# Altium PCB HOST拼板.PcbDoc (part 4 of 4)
Units mm, origin at the board's own origin, x right, y up, seen from the top; angles counter-clockwise.
Board outline 115.7 x 187.58 mm, 2 copper layers (Top Layer, Bottom Layer); 330 components, 0 nets, 987 pads, 525 vias.
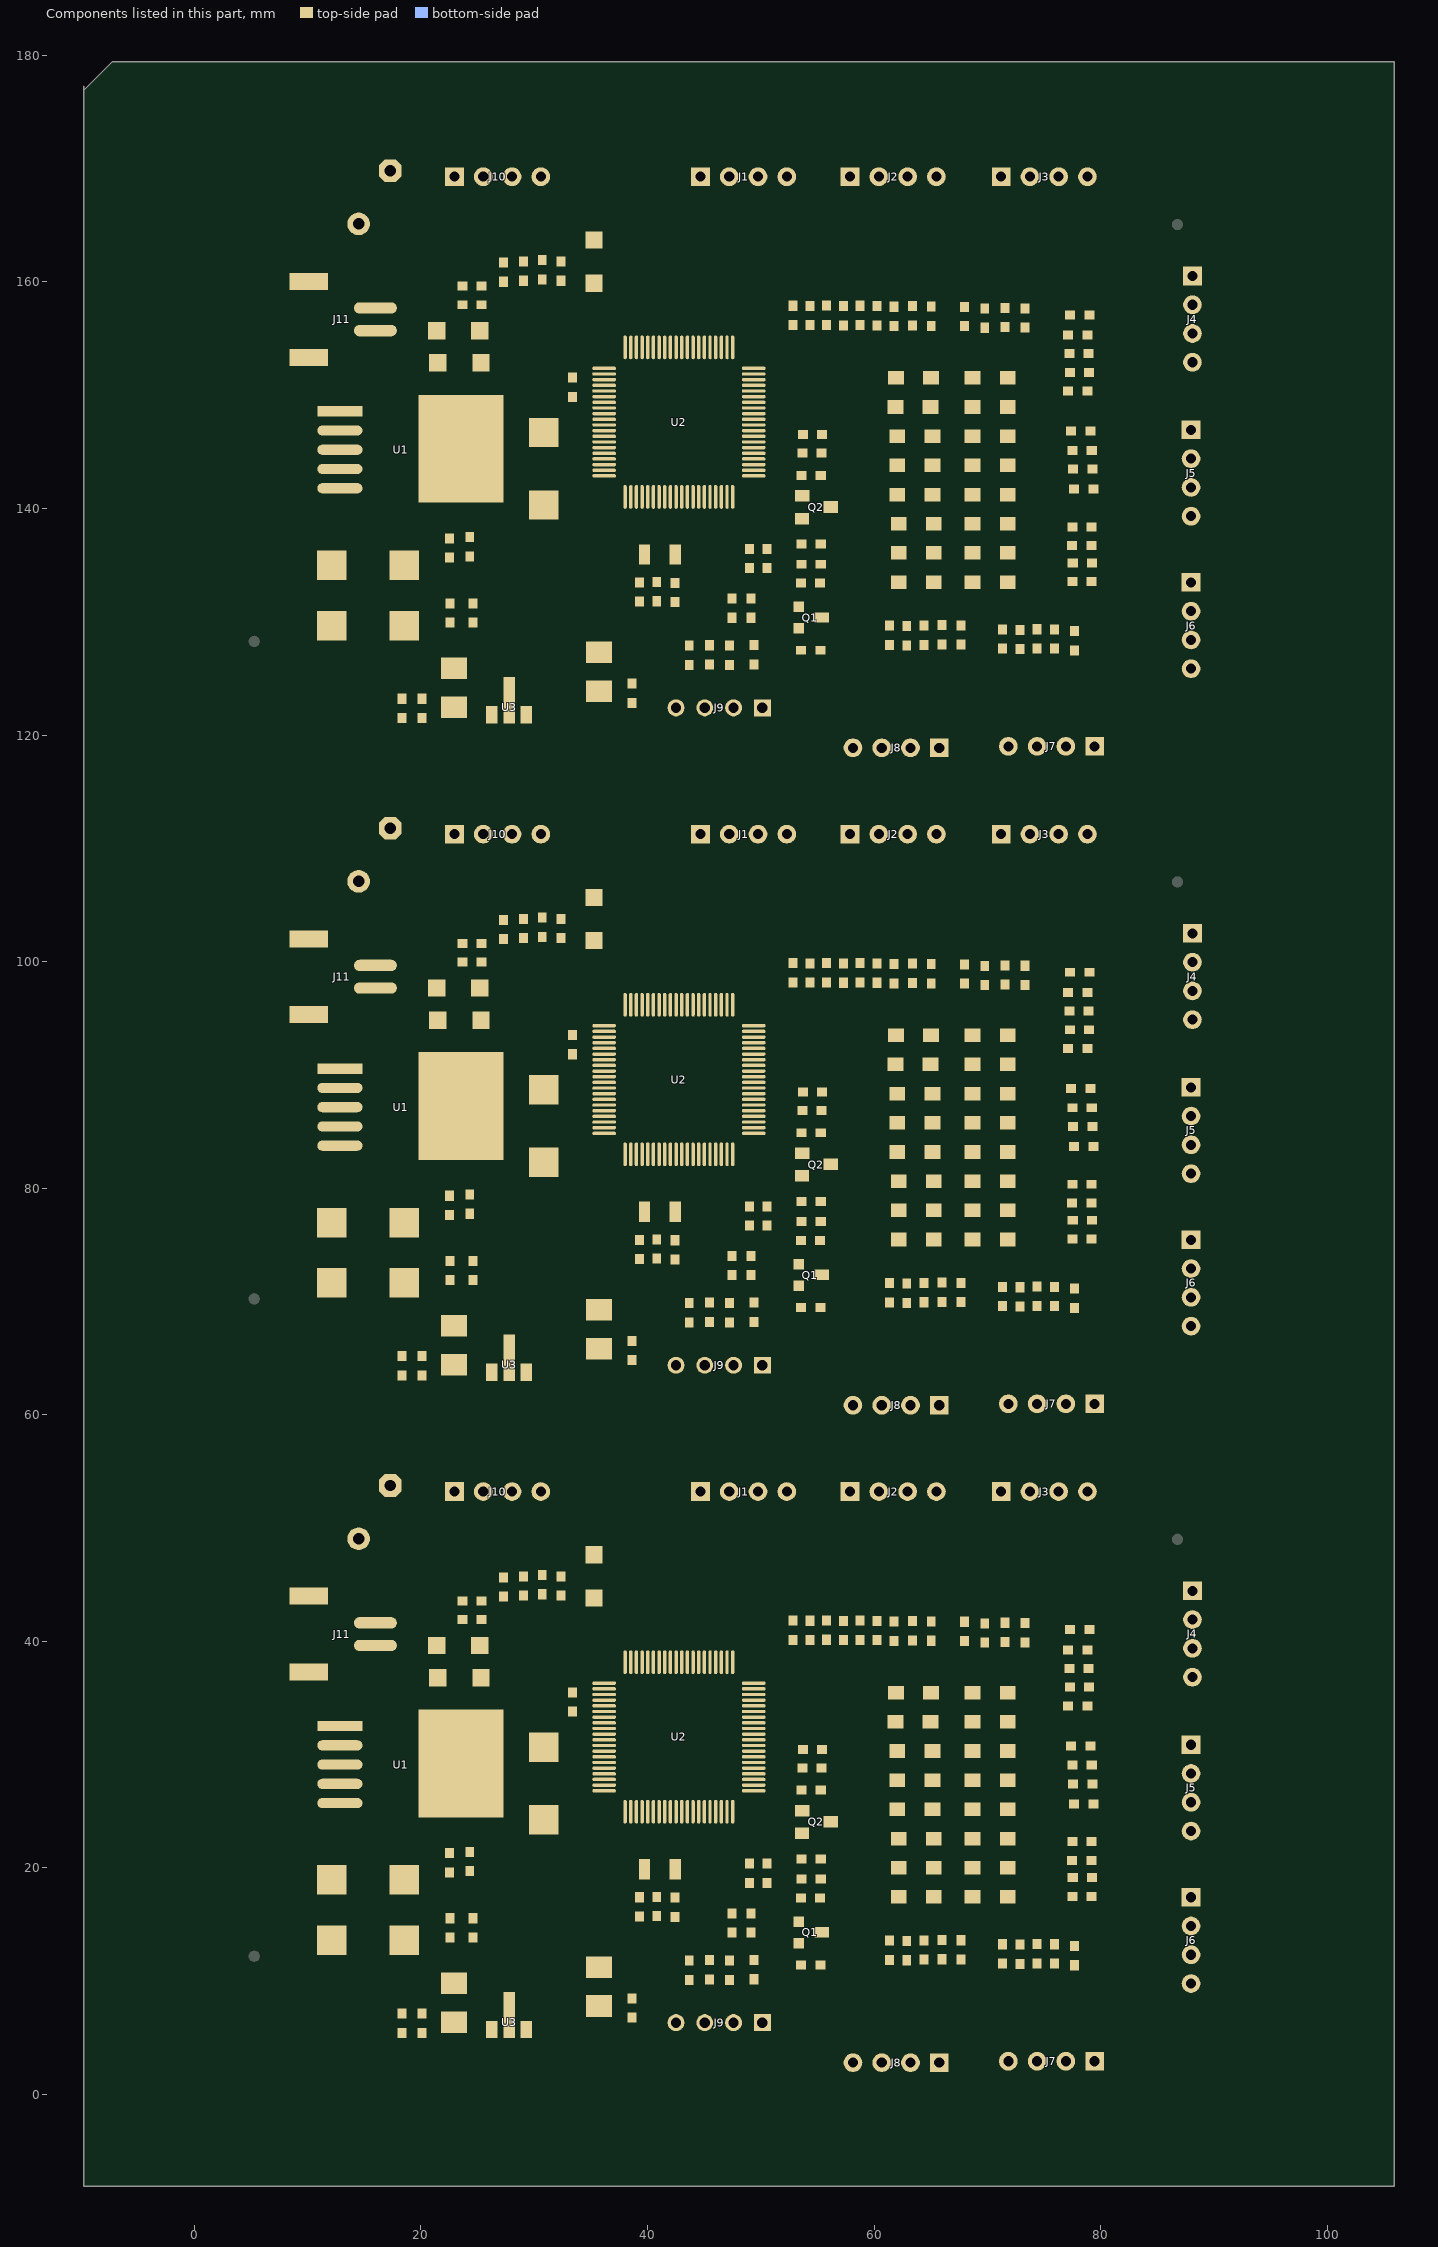
[diagram p4: the components of this part, seen from the top]

## Via types
v1: diameter 0.635, hole 0.381, Top Layer to Bottom Layer, tented both sides, 519 vias
v2: diameter 1.016, hole 0.635, Top Layer to Bottom Layer, tented both sides, 6 vias

## Nets (pads, with @x,y where several pads share a name; then routed paths per layer and width w, separated by ;. In a path a pad name is that pad's centre, name@x,y a point inside that pad or via, vN(x,y) a via of type N, cw(c..) or ccw(c..) an arc to the next point about the centre after c; other vN are vias at no path point) (continued)
copper on no net: (continued)
  Top Layer w0.635: 12.848,30.808 12.848,32.508 15.135,32.508 15.456,32.829 ; 12.848,88.847 12.848,90.547 15.135,90.547 15.456,90.868 ; 12.848,146.886 12.848,148.586 15.135,148.586 15.456,148.907 ; 14.449,32.631 ccw(c14.804,33.481) 15.456,32.829 ; 14.449,90.67 ccw(c14.804,91.52) 15.456,90.868 ; 14.449,148.709 ccw(c14.804,149.559) 15.456,148.907 ; 17.847,14.284 ccw(c16.17,15.961) 18.542,15.961 ccw(c20.914,15.961) 19.236,14.284 ; 17.847,18.228 cw(c16.17,16.551) 18.542,16.551 cw(c20.914,16.551) 19.236,18.228 ; 17.847,72.323 ccw(c16.17,74) 18.542,74 ccw(c20.914,74) 19.236,72.323 ; 17.847,76.267 cw(c16.17,74.59) 18.542,74.59 cw(c20.914,74.59) 19.236,76.267 ; 17.847,130.362 ccw(c16.17,132.039) 18.542,132.039 ccw(c20.914,132.039) 19.236,130.362 ; 17.847,134.306 cw(c16.17,132.629) 18.542,132.629 cw(c20.914,132.629) 19.236,134.306 ; 18.542,13.589 18.542,18.923 ; 18.542,71.628 18.542,76.962 ; 18.542,129.667 18.542,135.001 ; 19.863,50.546 24.867,50.546 v1(24.994,50.673) cw(c24.687,50.98) 24.687,50.546 ; 19.863,108.585 24.867,108.585 v1(24.994,108.712) cw(c24.687,109.019) 24.687,108.585 ; 19.863,166.624 24.867,166.624 v1(24.994,166.751) cw(c24.687,167.058) 24.687,166.624 ; 22.53,19.583 22.53,15.596 22.581,15.545 ; 22.53,77.622 22.53,73.635 22.581,73.584 ; 22.53,135.661 22.53,131.674 22.581,131.623 ; 24.854,36.779 cw(c23.781,36.779) 24.54,36.02 cw(c25.298,35.262) 25.298,36.335 ; 24.854,94.818 cw(c23.781,94.818) 24.54,94.059 cw(c25.298,93.301) 25.298,94.374 ; 24.854,152.857 cw(c23.781,152.857) 24.54,152.098 cw(c25.298,151.34) 25.298,152.413 ; 24.882,39.938 ccw(c23.878,40.942) 25.298,40.942 ; 24.882,97.977 ccw(c23.878,98.981) 25.298,98.981 ; 24.882,156.016 ccw(c23.878,157.02) 25.298,157.02 ; 25.197,39.624 25.298,39.522 25.298,36.779 ; 25.197,97.663 25.298,97.561 25.298,94.818 ; 25.197,155.702 25.298,155.6 25.298,152.857 ; 25.298,40.452 ccw(c26.025,40.452) 25.511,39.938 ; 25.298,98.491 ccw(c26.025,98.491) 25.511,97.977 ; 25.298,156.53 ccw(c26.025,156.53) 25.511,156.016 ; 25.362,43.561 25.298,43.497 25.298,36.779 ; 25.362,101.6 25.298,101.536 25.298,94.818 ; 25.362,159.639 25.298,159.575 25.298,152.857 ; 25.613,36.465 cw(c26.372,35.706) 26.372,36.779 cw(c26.372,37.852) 25.613,37.094 ; 25.613,94.504 cw(c26.372,93.745) 26.372,94.818 cw(c26.372,95.891) 25.613,95.133 ; 25.613,152.543 cw(c26.372,151.784) 26.372,152.857 cw(c26.372,153.93) 25.613,153.172 ; 28.317,50.515 ccw(c27.813,50.012) v1(27.813,50.724) 28.108,50.724 32.04,46.792 33.142,46.792 35.281,44.653 ; 28.317,108.554 ccw(c27.813,108.051) v1(27.813,108.763) 28.108,108.763 32.04,104.831 33.142,104.831 35.281,102.692 ; 28.317,166.593 ccw(c27.813,166.09) v1(27.813,166.802) 28.108,166.802 32.04,162.87 33.142,162.87 35.281,160.731 ; 29.312,5.715 31.75,5.715 32.766,6.731 32.766,10.135 33.858,11.227 35.712,11.227 35.878,11.227 38.633,8.471 40.983,8.471 42.469,9.957 42.469,10.592 43.688,11.811 ; 29.312,63.754 31.75,63.754 32.766,64.77 32.766,68.174 33.858,69.266 35.712,69.266 35.878,69.266 38.633,66.51 40.983,66.51 42.469,67.996 42.469,68.631 43.688,69.85 ; 29.312,121.793 31.75,121.793 32.766,122.809 32.766,126.213 33.858,127.305 35.712,127.305 35.878,127.305 38.633,124.549 40.983,124.549 42.469,126.035 42.469,126.67 43.688,127.889 ; 30.141,31.327 ccw(c28.464,33.004) 30.836,33.004 ccw(c33.208,33.004) 31.53,31.327 ; 30.141,89.366 ccw(c28.464,91.043) 30.836,91.043 ccw(c33.208,91.043) 31.53,89.366 ; 30.141,147.405 ccw(c28.464,149.082) 30.836,149.082 ccw(c33.208,149.082) 31.53,147.405 ; 30.222,52.854 cw(c29.355,51.987) 30.582,51.987 cw(c31.808,51.987) 30.941,52.854 ; 30.222,110.893 cw(c29.355,110.026) 30.582,110.026 cw(c31.808,110.026) 30.941,110.893 ; 30.222,168.932 cw(c29.355,168.065) 30.582,168.065 cw(c31.808,168.065) 30.941,168.932 ; 30.582,53.213 30.582,49.428 32.385,47.625 35.281,47.625 ; 30.582,111.252 30.582,107.467 32.385,105.664 35.281,105.664 ; 30.582,169.291 30.582,165.506 32.385,163.703 35.281,163.703 ; 30.836,30.632 30.836,36.347 30.404,36.779 25.298,36.779 ; 30.836,88.671 30.836,94.386 30.404,94.818 25.298,94.818 ; 30.836,146.71 30.836,152.425 30.404,152.857 25.298,152.857 ; 33.929,46.005 cw(c31.739,43.815) 34.836,43.815 ; 33.929,104.044 cw(c31.739,101.854) 34.836,101.854 ; 33.929,162.083 cw(c31.739,159.893) 34.836,159.893 ; 34.966,47.311 ccw(c34.207,46.552) 34.207,47.625 ccw(c34.207,48.698) 34.966,47.939 ; 34.966,105.35 ccw(c34.207,104.591) 34.207,105.664 ccw(c34.207,106.737) 34.966,105.978 ; 34.966,163.389 ccw(c34.207,162.63) 34.207,163.703 ccw(c34.207,164.776) 34.966,164.017 ; 35.013,44.921 cw(c33.907,43.815) 35.471,43.815 ; 35.013,102.96 cw(c33.907,101.854) 35.471,101.854 ; 35.013,160.999 cw(c33.907,159.893) 35.471,159.893 ; 35.031,44.183 ccw(c34.713,44.653) 35.281,44.653 ; 35.031,102.222 ccw(c34.713,102.692) 35.281,102.692 ; 35.031,160.261 ccw(c34.713,160.731) 35.281,160.731 ; 35.073,10.778 ccw(c33.989,9.694) 33.989,11.227 ccw(c33.989,12.76) 35.073,11.676 ; 35.073,68.817 ccw(c33.989,67.733) 33.989,69.266 ccw(c33.989,70.799) 35.073,69.715 ; 35.073,126.856 ccw(c33.989,125.772) 33.989,127.305 ccw(c33.989,128.838) 35.073,127.754 ; 35.281,43.815 35.281,44.653 ; 35.281,101.854 35.281,102.692 ; 35.281,159.893 35.281,160.731 ; 35.53,44.183 cw(c35.849,44.653) 35.281,44.653 ; 35.53,102.222 cw(c35.849,102.692) 35.281,102.692 ; 35.53,160.261 cw(c35.849,160.731) 35.281,160.731 ; 35.903,10.592 cw(c35.903,9.12) 36.944,10.161 ; 35.903,68.631 cw(c35.903,67.159) 36.944,68.2 ; 35.903,126.67 cw(c35.903,125.198) 36.944,126.239 ; 36.538,11.227 ccw(c38.132,11.227) 37.005,10.1 ; 36.538,69.266 ccw(c38.132,69.266) 37.005,68.139 ; 36.538,127.305 ccw(c38.132,127.305) 37.005,126.178 ; 43.688,12.396 cw(c44.729,12.396) v1(43.993,13.132) 43.688,12.827 43.688,11.811 ; 43.688,70.435 cw(c44.729,70.435) v1(43.993,71.171) 43.688,70.866 43.688,69.85 ; 43.688,128.474 cw(c44.729,128.474) v1(43.993,129.21) 43.688,128.905 43.688,127.889 ; 43.993,12.116 43.688,11.811 ; 43.993,70.155 43.688,69.85 ; 43.993,128.194 43.688,127.889 ; 47.19,11.916 ccw(c46.508,12.598) 47.473,12.598 ; 47.19,69.955 ccw(c46.508,70.637) 47.473,70.637 ; 47.19,127.994 ccw(c46.508,128.676) 47.473,128.676 ; 48.514,25.781 48.514,25.798 ; 48.514,83.82 48.514,83.837 ; 48.514,141.859 48.514,141.876 ; 49.403,11.862 49.352,11.811 47.244,11.811 47.473,12.04 47.473,14.275 49.124,14.275 51.638,16.789 v1@51.638,16.866 ; 49.403,69.901 49.352,69.85 47.244,69.85 47.473,70.079 47.473,72.314 49.124,72.314 51.638,74.828 v1@51.638,74.905 ; 49.403,127.94 49.352,127.889 47.244,127.889 47.473,128.118 47.473,130.353 49.124,130.353 51.638,132.867 v1@51.638,132.944 ; v1(51.689,16.916) v1@51.638,16.866 ; v1(51.689,74.955) v1@51.638,74.905 ; v1(51.689,132.994) v1@51.638,132.944 ; 52.694,22.506 cw(c53.518,21.683) 53.518,22.847 ; 52.694,80.545 cw(c53.518,79.722) 53.518,80.886 ; 52.694,138.584 cw(c53.518,137.761) 53.518,138.925 ; 53.962,23.038 cw(c54.729,23.038) 54.187,23.58 ; 53.962,81.077 cw(c54.729,81.077) 54.187,81.619 ; 53.962,139.116 cw(c54.729,139.116) 54.187,139.658 ; 55.245,17.348 56.032,16.561 v1(56.032,16.485) ; 55.245,75.387 56.032,74.6 v1(56.032,74.524) ; 55.245,133.426 56.032,132.639 v1(56.032,132.563) ; 55.372,28.804 55.372,28.641 56.256,27.757 56.256,26.241 55.771,25.756 55.22,25.756 55.034,25.57 55.034,24.427 53.645,23.038 53.226,23.038 50.546,20.358 51.638,19.266 v1@51.638,16.866 ; 55.372,86.843 55.372,86.68 56.256,85.796 56.256,84.28 55.771,83.795 55.22,83.795 55.034,83.609 55.034,82.466 53.645,81.077 53.226,81.077 50.546,78.397 51.638,77.305 v1@51.638,74.905 ; 55.372,144.882 55.372,144.719 56.256,143.835 56.256,142.319 55.771,141.834 55.22,141.834 55.034,141.648 55.034,140.505 53.645,139.116 53.226,139.116 50.546,136.436 51.638,135.344 v1@51.638,132.944 ; 55.499,28.804 ccw(c56.198,28.804) 55.704,28.309 ; 55.499,86.843 ccw(c56.198,86.843) 55.704,86.348 ; 55.499,144.882 ccw(c56.198,144.882) 55.704,144.387 ; 15.456,32.829 15.456,35.179 15.76,35.484 24.003,35.484 25.298,36.779 ; 15.456,90.868 15.456,93.218 15.76,93.523 24.003,93.523 25.298,94.818 ; 15.456,148.907 15.456,151.257 15.76,151.562 24.003,151.562 25.298,152.857 ; 25.298,37.852 cw(c24.225,37.852) 24.984,37.094 ccw(c24.225,37.852) 25.298,37.852 ; 25.298,37.852 ccw(c26.372,37.852) 25.613,37.094 ; 25.298,37.852 ccw(c26.372,37.852) 25.613,37.094 ; 25.298,95.891 cw(c24.225,95.891) 24.984,95.133 ccw(c24.225,95.891) 25.298,95.891 ; 25.298,95.891 ccw(c26.372,95.891) 25.613,95.133 ; 25.298,95.891 ccw(c26.372,95.891) 25.613,95.133 ; 25.298,153.93 cw(c24.225,153.93) 24.984,153.172 ccw(c24.225,153.93) 25.298,153.93 ; 25.298,153.93 ccw(c26.372,153.93) 25.613,153.172 ; 25.298,153.93 ccw(c26.372,153.93) 25.613,153.172 ; 24.882,39.31 cw(c23.878,38.306) 25.298,38.306 ccw(c23.878,38.306) 24.882,39.31 ; 24.882,97.349 cw(c23.878,96.345) 25.298,96.345 ccw(c23.878,96.345) 24.882,97.349 ; 24.882,155.388 cw(c23.878,154.384) 25.298,154.384 ccw(c23.878,154.384) 24.882,155.388 ; 25.298,38.796 cw(c26.025,38.796) 25.511,39.31 ccw(c26.025,38.796) 25.298,38.796 ; 25.298,96.835 cw(c26.025,96.835) 25.511,97.349 ccw(c26.025,96.835) 25.298,96.835 ; 25.298,154.874 cw(c26.025,154.874) 25.511,155.388 ccw(c26.025,154.874) 25.298,154.874
  Top Layer w1.27: 11.477,18.923 ccw(c9.871,18.923) 11.006,20.058 ccw(c12.142,21.193) 12.142,19.588 ccw(c12.142,23.768) 15.097,20.812 ; 11.477,76.962 ccw(c9.871,76.962) 11.006,78.097 ccw(c12.142,79.232) 12.142,77.627 ccw(c12.142,81.807) 15.097,78.851 ; 11.477,135.001 ccw(c9.871,135.001) 11.006,136.136 ccw(c12.142,137.271) 12.142,135.666 ccw(c12.142,139.846) 15.097,136.89 ; 11.671,13.119 cw(c10.536,11.984) 12.142,11.984 cw(c13.747,11.984) 12.612,13.119 ; 11.671,14.059 ccw(c10.475,15.256) 12.167,15.256 ; 11.671,18.453 cw(c10.475,17.256) 12.167,17.256 ; 11.671,71.158 cw(c10.536,70.023) 12.142,70.023 cw(c13.747,70.023) 12.612,71.158 ; 11.671,72.098 ccw(c10.475,73.295) 12.167,73.295 ; 11.671,76.492 cw(c10.475,75.295) 12.167,75.295 ; 11.671,129.197 cw(c10.536,128.062) 12.142,128.062 cw(c13.747,128.062) 12.612,129.197 ; 11.671,130.137 ccw(c10.475,131.334) 12.167,131.334 ; 11.671,134.531 cw(c10.475,133.334) 12.167,133.334 ; 12.116,14.757 12.167,14.808 12.167,18.923 ; 12.116,72.796 12.167,72.847 12.167,76.962 ; 12.116,130.835 12.167,130.886 12.167,135.001 ; 12.142,13.589 12.142,10.566 13.97,8.738 15.672,8.738 17.475,10.541 22.174,10.541 22.911,9.804 ; 12.142,71.628 12.142,68.605 13.97,66.777 15.672,66.777 17.475,68.58 22.174,68.58 22.911,67.843 ; 12.142,129.667 12.142,126.644 13.97,124.816 15.672,124.816 17.475,126.619 22.174,126.619 22.911,125.882 ; 12.167,15.133 ccw(c13.686,15.133) 12.612,14.059 ; 12.167,17.379 cw(c13.686,17.379) 12.612,18.453 ; 12.167,73.172 ccw(c13.686,73.172) 12.612,72.098 ; 12.167,75.418 cw(c13.686,75.418) 12.612,76.492 ; 12.167,131.211 ccw(c13.686,131.211) 12.612,130.137 ; 12.167,133.457 cw(c13.686,133.457) 12.612,134.531 ; 12.848,27.408 10.187,27.408 9.144,26.365 9.144,24.359 9.144,23.521 9.144,21.921 12.142,18.923 12.167,18.923 ; 12.848,85.447 10.187,85.447 9.144,84.404 9.144,82.398 9.144,81.56 9.144,79.96 12.142,76.962 12.167,76.962 ; 12.848,143.486 10.187,143.486 9.144,142.443 9.144,140.437 9.144,139.599 9.144,137.999 12.142,135.001 12.167,135.001 ; 15.977,39.624 21.387,39.624 ; 15.977,97.663 21.387,97.663 ; 15.977,155.702 21.387,155.702 ; 17.277,53.745 17.343,53.745 19.863,51.225 19.863,50.546 19.863,47.65 21.328,46.185 21.328,39.682 21.387,39.624 ; 17.277,111.784 17.343,111.784 19.863,109.264 19.863,108.585 19.863,105.689 21.328,104.224 21.328,97.721 21.387,97.663 ; 17.277,169.823 17.343,169.823 19.863,167.303 19.863,166.624 19.863,163.728 21.328,162.263 21.328,155.76 21.387,155.702 ; 18.313,7.125 20.091,7.125 22.771,9.804 22.911,9.804 ; 18.313,65.164 20.091,65.164 22.771,67.843 22.911,67.843 ; 18.313,123.203 20.091,123.203 22.771,125.882 22.911,125.882 ; 20.175,10.541 cw(c20.175,7.26) 22.496,9.58 ; 20.175,68.58 cw(c20.175,65.299) 22.496,67.619 ; 20.175,126.619 cw(c20.175,123.338) 22.496,125.658 ; 21.488,36.779 21.387,36.881 21.387,39.624 ; 21.488,94.818 21.387,94.92 21.387,97.663 ; 21.488,152.857 21.387,152.959 21.387,155.702 ; 23.101,9.487 cw(c23.101,5.869) 25.66,8.427 ; 23.101,67.526 cw(c23.101,63.908) 25.66,66.466 ; 23.101,125.565 cw(c23.101,121.947) 25.66,124.505 ; 23.232,9.515 cw(c23.834,8.175) 24.873,9.214 ; 23.232,67.554 cw(c23.834,66.214) 24.873,67.253 ; 23.232,125.593 cw(c23.834,124.253) 24.873,125.292 ; 27.318,8.204 ccw(c27.318,8.995) 27.877,8.435 ; 27.318,66.243 ccw(c27.318,67.034) 27.877,66.474 ; 27.318,124.282 ccw(c27.318,125.073) 27.877,124.513 ; 27.788,8.204 25.883,8.204 24.282,9.804 22.911,9.804 ; 27.788,66.243 25.883,66.243 24.282,67.843 22.911,67.843 ; 27.788,124.282 25.883,124.282 24.282,125.882 22.911,125.882 ; 39.951,10.9 cw(c39.083,10.033) v2@40.31,10.033 ; 39.951,68.939 cw(c39.083,68.072) v2@40.31,68.072 ; 39.951,126.978 cw(c39.083,126.111) v2@40.31,126.111 ; v2(40.107,5.156) 42.189,3.073 57.861,3.073 58.141,2.794 ; v2(40.107,63.195) 42.189,61.112 57.861,61.112 58.141,60.833 ; v2(40.107,121.234) 42.189,119.151 57.861,119.151 58.141,118.872 ; v2(40.183,10.033) 40.183,10.668 35.441,15.41 35.441,19.101 33.256,21.285 22.53,21.285 21.082,22.733 17.018,22.733 13.208,18.923 12.167,18.923 ; v2(40.183,68.072) 40.183,68.707 35.441,73.449 35.441,77.14 33.256,79.324 22.53,79.324 21.082,80.772 17.018,80.772 13.208,76.962 12.167,76.962 ; v2(40.183,126.111) 40.183,126.746 35.441,131.488 35.441,135.179 33.256,137.363 22.53,137.363 21.082,138.811 17.018,138.811 13.208,135.001 12.167,135.001 ; 51.885,51.754 cw(c53.758,51.754) 52.433,53.078 ; 51.885,109.793 cw(c53.758,109.793) 52.433,111.117 ; 51.885,167.832 cw(c53.758,167.832) 52.433,169.156 ; 52.299,53.213 52.299,52.841 51.885,52.427 51.885,50.452 52.807,49.53 56.337,49.53 58.759,47.109 58.759,41.821 ; 52.299,111.252 52.299,110.88 51.885,110.466 51.885,108.491 52.807,107.569 56.337,107.569 58.759,105.148 58.759,99.86 ; 52.299,169.291 52.299,168.919 51.885,168.505 51.885,166.53 52.807,165.608 56.337,165.608 58.759,163.187 58.759,157.899 ; v1(52.502,20.345) 52.934,20.777 53.594,20.777 ; v1(52.502,78.384) 52.934,78.816 53.594,78.816 ; v1(52.502,136.423) 52.934,136.855 53.594,136.855 ; 57.006,3.073 cw(c57.006,1.66) 58.006,2.659 ; 57.006,61.112 cw(c57.006,59.699) 58.006,60.698 ; 57.006,119.151 cw(c57.006,117.738) 58.006,118.737 ; 77.699,11.392 79.972,11.392 81.585,9.779 87.986,9.779 ; 77.699,69.431 79.972,69.431 81.585,67.818 87.986,67.818 ; 77.699,127.47 79.972,127.47 81.585,125.857 87.986,125.857 ; 79.007,41.021 83.795,41.021 v1(84.049,41.275) ; 79.007,99.06 83.795,99.06 v1(84.049,99.314) ; 79.007,157.099 83.795,157.099 v1(84.049,157.353) ; 52.914,20.758 cw(c53.543,20.129) 53.543,21.018 ccw(c53.543,20.129) 52.914,20.758 ; 52.914,78.797 cw(c53.543,78.168) 53.543,79.057 ccw(c53.543,78.168) 52.914,78.797 ; 52.914,136.836 cw(c53.543,136.207) 53.543,137.096 ccw(c53.543,136.207) 52.914,136.836
  Bottom Layer w0.254: v1@41.961,26.657 cw(c41.961,26.197) 42.286,26.523 cw(c42.611,26.848) v1@42.151,26.848 ; v1(41.961,26.848) 42.291,26.518 42.291,24.257 43.256,23.292 44.45,23.292 45.016,22.725 45.016,20.074 v1(44.882,19.939) ; v1@41.961,84.696 cw(c41.961,84.236) 42.286,84.562 cw(c42.611,84.887) v1@42.151,84.887 ; v1(41.961,84.887) 42.291,84.557 42.291,82.296 43.256,81.331 44.45,81.331 45.016,80.764 45.016,78.113 v1(44.882,77.978) ; v1@41.961,142.735 cw(c41.961,142.275) 42.286,142.601 cw(c42.611,142.926) v1@42.151,142.926 ; v1(41.961,142.926) 42.291,142.596 42.291,140.335 43.256,139.37 44.45,139.37 45.016,138.803 45.016,136.152 v1(44.882,136.017) ; v1@42.266,22.784 44.069,22.784 44.374,22.479 v1(44.374,21.057) ; v1@42.266,80.823 44.069,80.823 44.374,80.518 v1(44.374,79.096) ; v1@42.266,138.862 44.069,138.862 44.374,138.557 v1(44.374,137.135) ; v1@42.35,22.7 cw(c42.552,22.497) 42.552,22.784 ; v1@42.35,22.969 ccw(c42.797,23.417) 42.797,22.784 ; v1@42.35,80.739 cw(c42.552,80.536) 42.552,80.823 ; v1@42.35,81.008 ccw(c42.797,81.456) 42.797,80.823 ; v1@42.35,138.778 cw(c42.552,138.575) 42.552,138.862 ; v1@42.35,139.047 ccw(c42.797,139.495) 42.797,138.862 ; v1@44.239,21.191 ccw(c43.914,21.517) 44.374,21.517 ccw(c44.834,21.517) v1@44.509,21.191 ; v1@44.239,79.23 ccw(c43.914,79.556) 44.374,79.556 ccw(c44.834,79.556) v1@44.509,79.23 ; v1@44.239,137.269 ccw(c43.914,137.595) 44.374,137.595 ccw(c44.834,137.595) v1@44.509,137.269 ; v1@44.747,20.074 ccw(c44.097,20.724) 45.016,20.724 ; v1@44.747,78.113 ccw(c44.097,78.763) 45.016,78.763 ; v1@44.747,136.152 ccw(c44.097,136.802) 45.016,136.802 ; v1@59.962,36.711 ccw(c59.636,37.036) 60.096,37.036 ccw(c60.556,37.036) v1@60.231,36.711 ; v1@59.962,94.75 ccw(c59.636,95.075) 60.096,95.075 ccw(c60.556,95.075) v1@60.231,94.75 ; v1@59.962,152.789 ccw(c59.636,153.114) 60.096,153.114 ccw(c60.556,153.114) v1@60.231,152.789 ; v1(60.096,36.576) 60.096,38.506 v1(60.223,38.633) ; 60.096,37.867 cw(c60.99,37.867) v1@60.358,38.499 ; v1(60.096,94.615) 60.096,96.545 v1(60.223,96.672) ; 60.096,95.906 cw(c60.99,95.906) v1@60.358,96.538 ; v1(60.096,152.654) 60.096,154.584 v1(60.223,154.711) ; 60.096,153.945 cw(c60.99,153.945) v1@60.358,154.577 ; v1(60.579,26.391) 61.392,26.391 63.856,26.391 v1(63.856,26.416) ; v1(60.579,84.43) 61.392,84.43 63.856,84.43 v1(63.856,84.455) ; v1(60.579,142.469) 61.392,142.469 63.856,142.469 v1(63.856,142.494) ; v1@60.714,26.256 cw(c61.039,25.931) 61.039,26.391 cw(c61.039,26.851) v1@60.714,26.525 ; v1@60.714,84.295 cw(c61.039,83.97) 61.039,84.43 cw(c61.039,84.89) v1@60.714,84.564 ; v1@60.714,142.334 cw(c61.039,142.009) 61.039,142.469 cw(c61.039,142.929) v1@60.714,142.603 ; 63.334,26.391 ccw(c63.334,26.937) v1@63.721,26.551 ; 63.334,84.43 ccw(c63.334,84.976) v1@63.721,84.59 ; 63.334,142.469 ccw(c63.334,143.015) v1@63.721,142.629 ; 63.457,26.391 cw(c63.457,26.017) v1@63.721,26.281 ; 63.457,84.43 cw(c63.457,84.056) v1@63.721,84.32 ; 63.457,142.469 cw(c63.457,142.095) v1@63.721,142.359 ; v1(65.303,14.884) 66.345,14.884 ; v1(65.303,72.923) 66.345,72.923 ; v1(65.303,130.962) 66.345,130.962 ; v1@65.438,14.75 cw(c65.763,14.424) 65.763,14.884 cw(c65.763,15.344) v1@65.438,15.019 ; v1@65.438,72.789 cw(c65.763,72.463) 65.763,72.923 cw(c65.763,73.383) v1@65.438,73.058 ; v1@65.438,130.828 cw(c65.763,130.502) 65.763,130.962 cw(c65.763,131.422) v1@65.438,131.097 ; 66.548,14.884 66.345,14.884 ; 66.548,72.923 66.345,72.923 ; 66.548,130.962 66.345,130.962 ; v1(66.675,37.16) 67.158,37.643 67.158,38.837 v1(66.777,39.218) ; v1@66.675,37.351 ccw(c66.675,37.811) 67,37.485 ccw(c67.325,37.16) v1@66.865,37.16 ; v1(66.675,95.199) 67.158,95.682 67.158,96.876 v1(66.777,97.257) ; v1@66.675,95.39 ccw(c66.675,95.85) 67,95.524 ccw(c67.325,95.199) v1@66.865,95.199 ; v1(66.675,153.238) 67.158,153.721 67.158,154.915 v1(66.777,155.296) ; v1@66.675,153.429 ccw(c66.675,153.889) 67,153.563 ccw(c67.325,153.238) v1@66.865,153.238 ; v1@66.808,18.751 ccw(c67.251,19.195) 67.251,18.567 ; v1@66.808,76.79 ccw(c67.251,77.234) 67.251,76.606 ; v1@66.808,134.829 ccw(c67.251,135.273) 67.251,134.645 ; v1(66.853,18.796) 67.081,18.567 74.346,18.567 v1(74.879,18.034) ; v1(66.853,76.835) 67.081,76.606 74.346,76.606 v1(74.879,76.073) ; v1(66.853,134.874) 67.081,134.645 74.346,134.645 v1(74.879,134.112) ; v1@66.988,18.931 ccw(c67.865,19.808) 67.865,18.567 ; v1@66.988,76.97 ccw(c67.865,77.847) 67.865,76.606 ; v1@66.988,135.009 ccw(c67.865,135.886) 67.865,134.645 ; v1(67.132,23.673) 67.818,23.673 v1(70.383,23.673) ; v1(67.132,81.712) 67.818,81.712 v1(70.383,81.712) ; v1(67.132,139.751) 67.818,139.751 v1(70.383,139.751) ; v1(67.208,26.187) 67.259,26.238 67.793,26.238 v1(70.256,26.238) ; v1(67.208,84.226) 67.259,84.277 67.793,84.277 v1(70.256,84.277) ; v1(67.208,142.265) 67.259,142.316 67.793,142.316 v1(70.256,142.316) ; 67.246,14.884 cw(c67.246,14.338) v1@67.632,14.724 ; 67.246,72.923 cw(c67.246,72.377) v1@67.632,72.763 ; 67.246,130.962 cw(c67.246,130.416) v1@67.632,130.802 ; v1@67.267,23.538 cw(c67.592,23.213) 67.592,23.673 cw(c67.592,24.133) v1@67.267,23.808 ; v1@67.267,81.577 cw(c67.592,81.252) 67.592,81.712 cw(c67.592,82.172) v1@67.267,81.847 ; v1@67.267,139.616 cw(c67.592,139.291) 67.592,139.751 cw(c67.592,140.211) v1@67.267,139.886 ; v1@67.343,26.053 cw(c67.791,25.605) 67.791,26.238 ; v1@67.343,26.322 ccw(c67.546,26.525) 67.546,26.238 ; v1@67.343,84.092 cw(c67.791,83.644) 67.791,84.277 ; v1@67.343,84.361 ccw(c67.546,84.564) 67.546,84.277 ; v1@67.343,142.131 cw(c67.791,141.683) 67.791,142.316 ; v1@67.343,142.4 ccw(c67.546,142.603) 67.546,142.316 ; 67.369,14.884 ccw(c67.369,15.258) v1@67.632,14.994 ; 67.369,72.923 ccw(c67.369,73.297) v1@67.632,73.033 ; 67.369,130.962 ccw(c67.369,131.336) v1@67.632,131.072 ; v1(67.767,14.859) 67.742,14.884 66.345,14.884 ; v1(67.767,72.898) 67.742,72.923 66.345,72.923 ; v1(67.767,130.937) 67.742,130.962 66.345,130.962 ; v1@70.122,26.103 ccw(c69.796,25.778) 69.796,26.238 ccw(c69.796,26.698) v1@70.122,26.373 ; v1@70.122,84.142 ccw(c69.796,83.817) 69.796,84.277 ccw(c69.796,84.737) v1@70.122,84.412 ; v1@70.122,142.181 ccw(c69.796,141.856) 69.796,142.316 ccw(c69.796,142.776) v1@70.122,142.451 ; v1@70.249,23.538 ccw(c69.923,23.213) 69.923,23.673 ccw(c69.923,24.133) v1@70.249,23.808 ; v1@70.249,81.577 ccw(c69.923,81.252) 69.923,81.712 ccw(c69.923,82.172) v1@70.249,81.847 ; v1@70.249,139.616 ccw(c69.923,139.291) 69.923,139.751 ccw(c69.923,140.211) v1@70.249,139.886 ; v1(70.841,36.855) 75.54,36.855 v1(75.667,36.982) ; v1(70.841,94.894) 75.54,94.894 v1(75.667,95.021) ; v1(70.841,152.933) 75.54,152.933 v1(75.667,153.06) ; v1@70.975,36.721 cw(c71.301,36.395) 71.301,36.855 cw(c71.301,37.315) v1@70.975,36.99 ; v1@70.975,94.76 cw(c71.301,94.434) 71.301,94.894 cw(c71.301,95.354) v1@70.975,95.029 ; v1@70.975,152.799 cw(c71.301,152.473) 71.301,152.933 cw(c71.301,153.393) v1@70.975,153.068 ; v1@74.689,18.034 ccw(c74.229,18.034) 74.554,18.359 ccw(c74.879,18.684) v1@74.879,18.224 ; v1@74.689,76.073 ccw(c74.229,76.073) 74.554,76.398 ccw(c74.879,76.723) v1@74.879,76.263 ; v1@74.689,134.112 ccw(c74.229,134.112) 74.554,134.437 ccw(c74.879,134.762) v1@74.879,134.302 ; 74.9,36.855 ccw(c74.9,37.749) v1@75.532,37.117 ; 74.9,94.894 ccw(c74.9,95.788) v1@75.532,95.156 ; 74.9,152.933 ccw(c74.9,153.827) v1@75.532,153.195
  Bottom Layer w0.305: v1(32.563,40.513) 33.68,40.513 34.011,40.843 v1(34.112,40.843) ; v1(32.563,98.552) 33.68,98.552 34.011,98.882 v1(34.112,98.882) ; v1(32.563,156.591) 33.68,156.591 34.011,156.921 v1(34.112,156.921) ; v1@32.68,40.396 cw(c32.961,40.114) 32.961,40.513 cw(c32.961,40.912) v1@32.68,40.63 ; v1@32.68,98.435 cw(c32.961,98.153) 32.961,98.552 cw(c32.961,98.951) v1@32.68,98.669 ; v1@32.68,156.474 cw(c32.961,156.192) 32.961,156.591 cw(c32.961,156.99) v1@32.68,156.708 ; 33.657,40.49 cw(c34.112,40.034) v1@34.112,40.678 ; 33.657,98.529 cw(c34.112,98.073) v1@34.112,98.717 ; 33.657,156.568 cw(c34.112,156.112) v1@34.112,156.756
  Bottom Layer w0.508: v1(15.011,22.581) 19.482,22.581 v1(20.853,21.209) ; v1(15.011,80.62) 19.482,80.62 v1(20.853,79.248) ; v1(15.011,138.659) 19.482,138.659 v1(20.853,137.287)
  Bottom Layer w0.635: v1(24.994,50.673) 25.044,50.724 v1(27.813,50.724) ; v1(24.994,108.712) 25.044,108.763 v1(27.813,108.763) ; v1(24.994,166.751) 25.044,166.802 v1(27.813,166.802) ; v1(43.993,13.132) ccw(c44.483,13.622) 44.483,12.929 ; v1(43.993,71.171) ccw(c44.483,71.661) 44.483,70.968 ; v1(43.993,129.21) ccw(c44.483,129.7) 44.483,129.007 ; v1@44.196,12.929 v1(47.447,12.929) ; v1@44.196,70.968 v1(47.447,70.968) ; v1@44.196,129.007 v1(47.447,129.007) ; v1(51.689,16.916) 55.601,16.916 v1(56.032,16.485) ccw(c54.99,15.442) 54.99,16.916 ; v1(51.689,74.955) 55.601,74.955 v1(56.032,74.524) ccw(c54.99,73.481) 54.99,74.955 ; v1(51.689,132.994) 55.601,132.994 v1(56.032,132.563) ccw(c54.99,131.52) 54.99,132.994
  Bottom Layer w1.27: v2(40.107,5.156) 40.157,5.207 40.157,10.033 v2(40.183,10.033) ; v2(40.107,63.195) 40.157,63.246 40.157,68.072 v2(40.183,68.072) ; v2(40.107,121.234) 40.157,121.285 40.157,126.111 v2(40.183,126.111) ; v2@40.183,5.08 v2@40.183,5.156 ; v2@40.183,63.119 v2@40.183,63.195 ; v2@40.183,121.158 v2@40.183,121.234 ; 52.299,53.023 cw(c52.299,50.784) 53.881,52.367 ; 52.299,53.213 53.035,53.213 55.245,51.003 63.297,51.003 65.507,53.213 66.548,53.213 68.504,51.257 76.886,51.257 78.842,53.213 81.94,53.213 84.176,50.978 84.176,39.167 86.512,36.83 88.113,36.83 88.113,34.976 85.827,32.69 85.827,24.562 87.147,23.241 87.986,23.241 87.986,21.717 85.75,19.482 85.75,12.014 87.986,9.779 87.986,8.28 84.912,5.207 74.337,5.207 72.051,2.921 71.857,2.921 70.307,2.921 68.301,4.928 60.274,4.928 58.141,2.794 ; 52.299,111.061 cw(c52.299,108.823) 53.881,110.406 ; 52.299,111.252 53.035,111.252 55.245,109.042 63.297,109.042 65.507,111.252 66.548,111.252 68.504,109.296 76.886,109.296 78.842,111.252 81.94,111.252 84.176,109.017 84.176,97.206 86.512,94.869 88.113,94.869 88.113,93.015 85.827,90.729 85.827,82.601 87.147,81.28 87.986,81.28 87.986,79.756 85.75,77.521 85.75,70.053 87.986,67.818 87.986,66.319 84.912,63.246 74.337,63.246 72.051,60.96 71.857,60.96 70.307,60.96 68.301,62.967 60.274,62.967 58.141,60.833 ; 52.299,169.1 cw(c52.299,166.862) 53.881,168.445 ; 52.299,169.291 53.035,169.291 55.245,167.081 63.297,167.081 65.507,169.291 66.548,169.291 68.504,167.335 76.886,167.335 78.842,169.291 81.94,169.291 84.176,167.056 84.176,155.245 86.512,152.908 88.113,152.908 88.113,151.054 85.827,148.768 85.827,140.64 87.147,139.319 87.986,139.319 87.986,137.795 85.75,135.56 85.75,128.092 87.986,125.857 87.986,124.358 84.912,121.285 74.337,121.285 72.051,118.999 71.857,118.999 70.307,118.999 68.301,121.006 60.274,121.006 58.141,118.872 ; 65.507,53.023 cw(c65.507,50.048) 67.61,52.151 ; 65.507,111.061 cw(c65.507,108.087) 67.61,110.19 ; 65.507,169.1 cw(c65.507,166.126) 67.61,168.229 ; 65.57,53.033 cw(c66.048,51.672) 67.069,52.692 ; 65.57,111.072 cw(c66.048,109.711) 67.069,110.731 ; 65.57,169.111 cw(c66.048,167.75) 67.069,168.77 ; 86.246,24.143 ccw(c87.963,25.86) 87.984,23.431 ; 86.246,82.182 ccw(c87.963,83.899) 87.984,81.47 ; 86.246,140.221 ccw(c87.963,141.938) 87.984,139.509
  other v1: 85.09,1.168 68.351,1.27 49.835,1.397 25.425,2.515 40.005,2.616 35.357,3.226 52.197,5.436 58.318,6.147 65.71,7.239 71.145,7.417 76.759,7.417 16.129,7.442 83.617,7.468 46.558,7.849 51.283,8.103 31.166,8.534 45.085,8.56 57.125,9.093 75.159,9.423 7.341,10.236 58.471,10.49 25.959,10.617 84.506,11.227 30.353,11.582 41.758,11.786 15.291,12.116 21.234,12.268 58.039,12.446 51.029,12.929 34.011,13.005 69.596,13.411 51.968,14.757 44.45,15.011 75.667,15.951 15.418,16.053 80.569,16.205 83.845,16.84 5.207,18.009 32.944,18.059 43.764,18.39 60.274,19.025 15.291,19.228 29.21,19.253 26.619,19.685 83.845,20.574 37.16,21.869 56.82,22.174 40.792,22.835 80.213,23.978 76.581,24.054 52.045,24.232 17.653,24.689 25.832,24.994 49.149,25.044 21.514,25.146 57.785,25.705 83.388,25.857 5.588,26.492 33.325,26.492 29.439,27.28 43.028,27.508 17.805,28.346 51.435,28.6 21.361,29.134 82.372,29.413 25.857,29.54 38.786,30.785 47.142,30.912 7.366,31.344 43.205,31.344 33.249,31.394 58.141,31.674 4.343,32.385 77.343,32.614 52.832,32.715 81.712,33.071 21.438,33.096 25.883,33.223 17.729,33.274 31.852,33.807 89.637,34.087 10.516,34.163 28.854,35.128 47.015,35.255 43.383,35.509 58.217,36.652 18.491,37.16 14.148,37.389 23.368,38.1 49.301,38.1 36.601,38.303 27.102,38.506 82.398,38.964 80.645,39.014 39.7,40.411 48.082,40.869 44.78,40.894 66.675,41.25 89.713,41.478 31.471,41.732 8.077,41.808 35.204,41.91 19.304,41.961 38.1,42.748 86.004,43.053 81.509,43.104 60.452,43.256 73.254,43.536 56.769,43.866 63.551,43.866 69.19,44.145 19.152,44.933 23.216,45.212 14.275,46.025 52.045,46.253 56.413,47.041 4.14,47.32 74.371,47.371 79.121,47.701 37.77,48.108 60.35,48.362 24.359,48.793 22.098,48.844 63.729,48.844 69.799,49.454 41.427,50.267 47.219,50.546 16.586,51.105 78.664,51.283 34.722,51.562 68.123,54.407 83.947,54.458 41.605,54.661 85.09,59.207 68.351,59.309 49.835,59.436 25.425,60.554 40.005,60.655 35.357,61.265 52.197,63.475 58.318,64.186 65.71,65.278 71.145,65.456 76.759,65.456 16.129,65.481 83.617,65.507 46.558,65.888 51.283,66.142 31.166,66.573 45.085,66.599 57.125,67.132 75.159,67.462 7.341,68.275 58.471,68.529 25.959,68.656 84.506,69.266 30.353,69.621 41.758,69.825 15.291,70.155 21.234,70.307 58.039,70.485 51.029,70.968 34.011,71.044 69.596,71.45 51.968,72.796 44.45,73.05 75.667,73.99 15.418,74.092 80.569,74.244 83.845,74.879 5.207,76.048 32.944,76.098 43.764,76.429 60.274,77.064 15.291,77.267 29.21,77.292 26.619,77.724 83.845,78.613 37.16,79.908 56.82,80.213 40.792,80.874 80.213,82.017 76.581,82.093 52.045,82.271 17.653,82.728 25.832,83.033 49.149,83.083 21.514,83.185 57.785,83.744 83.388,83.896 5.588,84.531 33.325,84.531 29.439,85.319 43.028,85.547 17.805,86.385 51.435,86.639 21.361,87.173 82.372,87.452 25.857,87.579 38.786,88.824 47.142,88.951 7.366,89.383 43.205,89.383 33.249,89.433 58.141,89.713 4.343,90.424 77.343,90.653 52.832,90.754 81.712,91.11 21.438,91.135 25.883,91.262 17.729,91.313 31.852,91.846 89.637,92.126 10.516,92.202 28.854,93.167 47.015,93.294 43.383,93.548 58.217,94.691 18.491,95.199 14.148,95.428 23.368,96.139 49.301,96.139 36.601,96.342 27.102,96.545 82.398,97.003 80.645,97.053 39.7,98.45 48.082,98.908 44.78,98.933 66.675,99.289 89.713,99.517 31.471,99.771 8.077,99.847 35.204,99.949 19.304,100 38.1,100.787 86.004,101.092 81.509,101.143 60.452,101.295 73.254,101.575 56.769,101.905 63.551,101.905 69.19,102.184 19.152,102.972 23.216,103.251 14.275,104.064 52.045,104.292 56.413,105.08 4.14,105.359 74.371,105.41 79.121,105.74 37.77,106.147 60.35,106.401 24.359,106.832 22.098,106.883 63.729,106.883 69.799,107.493 41.427,108.306 47.219,108.585 16.586,109.144 78.664,109.322 34.722,109.601 68.123,112.446 83.947,112.497 41.605,112.7 85.09,117.246 68.351,117.348 49.835,117.475 25.425,118.593 40.005,118.694 35.357,119.304 52.197,121.514 58.318,122.225 65.71,123.317 71.145,123.495 76.759,123.495 16.129,123.52 83.617,123.546 46.558,123.927 51.283,124.181 31.166,124.612 45.085,124.638 57.125,125.171 75.159,125.501 7.341,126.314 58.471,126.568 25.959,126.695 84.506,127.305 30.353,127.66 41.758,127.864 15.291,128.194 21.234,128.346 58.039,128.524 51.029,129.007 34.011,129.083 69.596,129.489 51.968,130.835 44.45,131.089 75.667,132.029 15.418,132.131 80.569,132.283 83.845,132.918 5.207,134.087 32.944,134.137 43.764,134.468 60.274,135.103 15.291,135.306 29.21,135.331 26.619,135.763 83.845,136.652 37.16,137.947 56.82,138.252 40.792,138.913 80.213,140.056 76.581,140.132 52.045,140.31 17.653,140.767 25.832,141.072 49.149,141.122 21.514,141.224 57.785,141.783 83.388,141.935 5.588,142.57 33.325,142.57 29.439,143.358 43.028,143.586 17.805,144.424 51.435,144.678 21.361,145.212 82.372,145.491 25.857,145.618 38.786,146.863 47.142,146.99 7.366,147.422 43.205,147.422 33.249,147.472 58.141,147.752 4.343,148.463 77.343,148.692 52.832,148.793 81.712,149.149 21.438,149.174 25.883,149.301 17.729,149.352 31.852,149.885 89.637,150.165 10.516,150.241 28.854,151.206 47.015,151.333 43.383,151.587 58.217,152.73 18.491,153.238 14.148,153.467 23.368,154.178 49.301,154.178 36.601,154.381 27.102,154.584 82.398,155.042 80.645,155.092 39.7,156.489 48.082,156.947 44.78,156.972 66.675,157.328 89.713,157.556 31.471,157.81 8.077,157.886 35.204,157.988 19.304,158.039 38.1,158.826 86.004,159.131 81.509,159.182 60.452,159.334 73.254,159.614 56.769,159.944 63.551,159.944 69.19,160.223 19.152,161.011 23.216,161.29 14.275,162.103 52.045,162.331 56.413,163.119 4.14,163.398 74.371,163.449 79.121,163.779 37.77,164.186 60.35,164.44 24.359,164.871 22.098,164.922 63.729,164.922 69.799,165.532 41.427,166.345 47.219,166.624 16.586,167.183 78.664,167.361 34.722,167.64 68.123,170.485 83.947,170.536 41.605,170.739

## Polygon pours and split planes (outlines as drawn)
no net on Bottom Layer "Top Layer-No Net" (solid, remove dead copper, pour order 1004): 1.473,-3.15 94.158,-3.15 94.615,-2.692 94.615,56.286 2.743,56.286 1.702,55.245 1.702,-2.718 1.803,-2.819
no net on Bottom Layer "Top Layer-No Net" (solid, remove dead copper, pour order 1003): 1.473,54.889 94.158,54.889 94.615,55.347 94.615,114.325 2.743,114.325 1.702,113.284 1.702,55.321 1.803,55.22
no net on Bottom Layer "Top Layer-No Net" (solid, remove dead copper, pour order 1002): 1.473,112.928 94.158,112.928 94.615,113.386 94.615,172.364 2.743,172.364 1.702,171.323 1.702,113.36 1.803,113.259
no net on Top Layer "Top Layer-No Net" (solid, remove dead copper, pour order 1007): 1.956,55.702 1.93,55.677 1.93,-2.769 94.158,-2.769 94.361,-2.972 94.361,55.829 94.463,55.931 94.234,55.702 1.956,55.702
no net on Top Layer "Top Layer-No Net" (solid, remove dead copper, pour order 1006): 1.956,113.741 1.93,113.716 1.93,55.27 94.158,55.27 94.361,55.067 94.361,113.868 94.463,113.97 94.234,113.741 1.956,113.741
no net on Top Layer "Top Layer-No Net" (solid, remove dead copper, pour order 1005): 1.956,171.78 1.93,171.755 1.93,113.309 94.158,113.309 94.361,113.106 94.361,171.907 94.463,172.009 94.234,171.78 1.956,171.78

## Keep-outs
Keep-Out Layer:
  circle w0.254: c87.884,53.238 r1.6
  circle w0.254: c87.94,3.174 r1.6
  circle w0.254: c5.969,2.896 r1.6
  circle w0.254: c6.655,52.705 r1.6
  circle w0.254: c87.884,111.277 r1.6
  circle w0.254: c87.94,61.213 r1.6
  circle w0.254: c5.969,60.935 r1.6
  circle w0.254: c6.655,110.744 r1.6
  circle w0.254: c87.884,169.316 r1.6
  circle w0.254: c87.94,119.252 r1.6
  circle w0.254: c5.969,118.974 r1.6
  circle w0.254: c6.655,168.783 r1.6
  lines w0.127: 3.15,50.927 3.15,123.571 ; 3.15,52.121 3.15,55.956 90.678,55.956 90.881,55.753 90.881,52.426 ; 3.15,52.756 3.15,0.025 3.175,0 ; 3.15,110.16 3.15,113.995 90.678,113.995 90.881,113.792 90.881,110.465 ; 3.15,110.795 3.15,58.064 3.175,58.039 8.204,58.039 ; 3.15,168.199 3.15,172.034 90.678,172.034 90.881,171.831 90.881,168.504 ; 3.15,168.834 3.15,116.103 3.175,116.078 8.204,116.078 ; 3.683,172.034 0.076,172.034 0,171.958 0,0 3.175,0 ; 6.071,0 90.881,0 90.881,52.68 ; 6.071,58.039 90.881,58.039 90.881,110.719 ; 6.071,116.078 90.881,116.078 90.881,168.758 ; 8.204,0 3.175,0 ; 89.789,172.034 93.929,172.034 93.929,0.051 93.878,0 90.297,0 ; 90.881,0.381 90.881,135.382

## Other copper
Top Layer:
  rectangle: 7.493,35.306 13.005,38.862
  rectangle: 7.366,42.393 12.802,45.872
  rectangle: 7.493,93.345 13.005,96.901
  rectangle: 7.366,100.432 12.802,103.911
  rectangle: 7.493,151.384 13.005,154.94
  rectangle: 7.366,158.471 12.802,161.95

## Silkscreen, mask and mechanical layers (free items; w line width, h text height)
Top Overlay:
  drawing of 414 lines, arcs and shapes, not listed
  text "WX0.000.747" at 26.873,132.613 h0.81
  text "2017.08.24" at 26.924,131.267 h0.81
  text "V1.0.1" at 27.051,130.124 h0.81
  text "designed by cc" at 19.431,116.713 h0.81
  text "VIEWSHINE" at 8.977,116.471 h1.78
  text "WX0.000.747" at 26.873,74.574 h0.81
  text "2017.08.24" at 26.924,73.228 h0.81
  text "V1.0.1" at 27.051,72.085 h0.81
  text "designed by cc" at 19.431,58.674 h0.81
  text "VIEWSHINE" at 8.977,58.432 h1.78
  text "WX0.000.747" at 26.873,16.535 h0.81
  text "2017.08.24" at 26.924,15.189 h0.81
  text "V1.0.1" at 27.051,14.046 h0.81
  text "designed by cc" at 19.431,0.635 h0.81
  text "VIEWSHINE" at 8.977,0.393 h1.78

## Text inside footprints (layer, text, board x,y; h text height)
VIN: Top Overlay "V-" at 14.38,50.394 h0.81 r90; Top Overlay "V+" at 16.077,53.095 h0.81 r90
VIN: Top Overlay "V-" at 14.38,108.433 h0.81 r90; Top Overlay "V+" at 16.077,111.134 h0.81 r90
VIN: Top Overlay "V-" at 14.38,166.472 h0.81 r90; Top Overlay "V+" at 16.077,169.173 h0.81 r90